# KiCad board RefleXion Grid.kicad_pcb (continued)
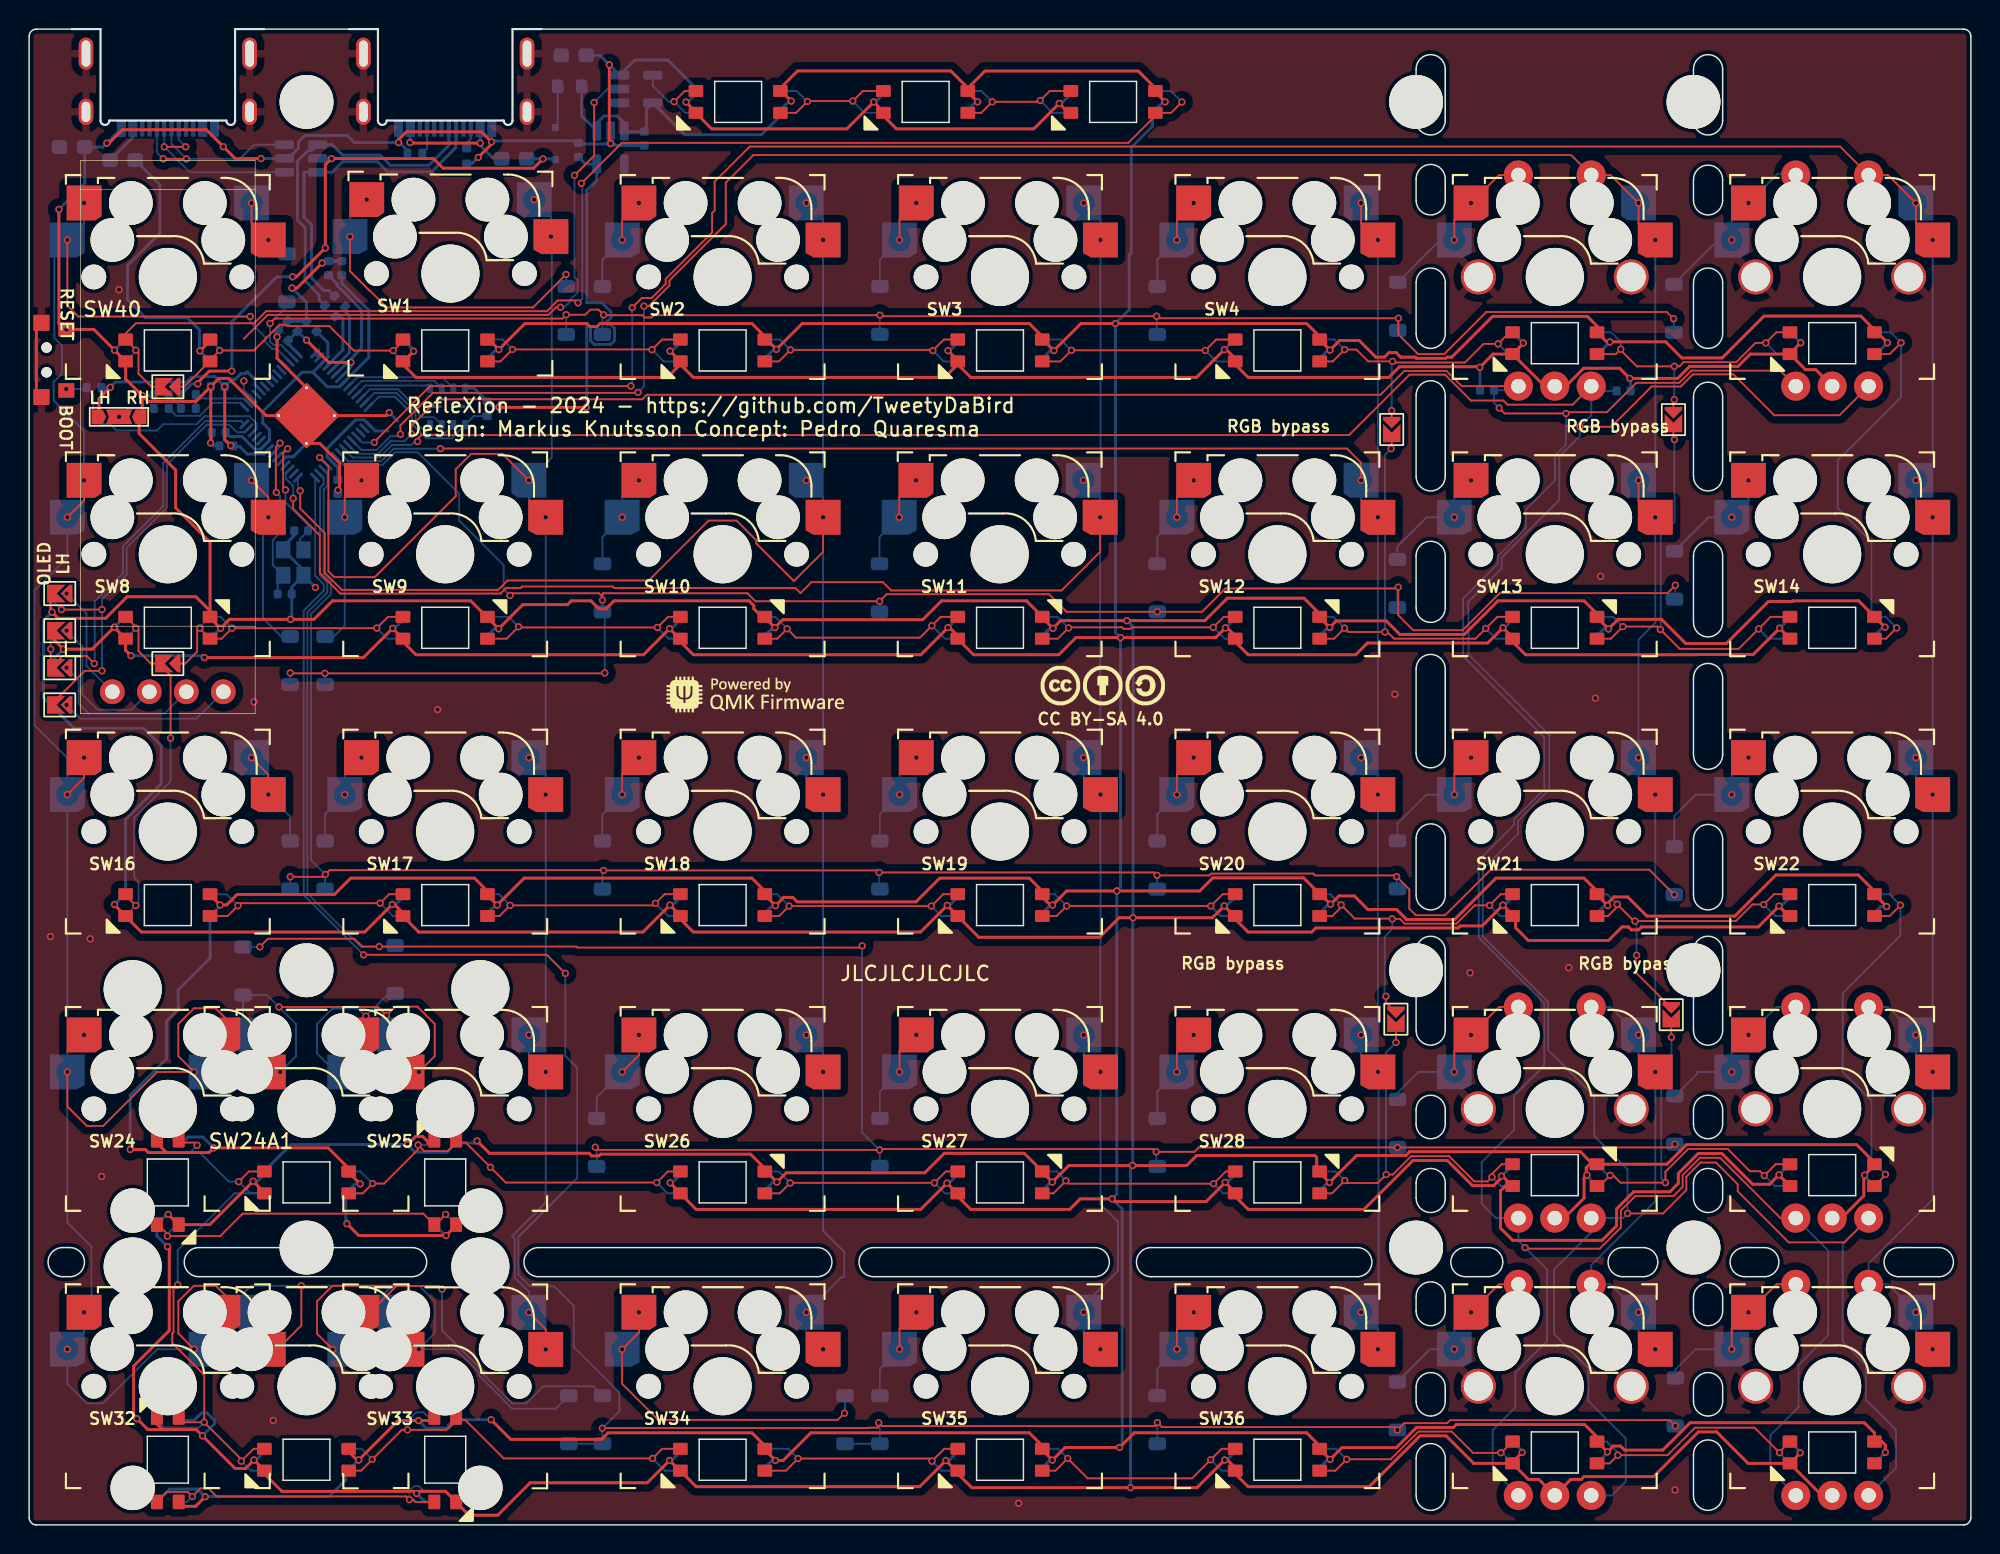
[diagram p0: board, top side]
## Nets
+1V1: C21.1 C22.1 C23.1 U2.23 U2.45 U2.50
+3V3: C5.1 C9.1 C13.1 C14.1 C15.1 C17.1 C20.1 JP12.3 R1.1 R5.1 U1.8 U2.1 U2.10 U2.22 U2.33 U2.42 U2.43 U2.44 U2.48 U2.49 U4.5
+5V: C12.1 F1.2 FB4.2 JP3.1 JP6.1 LED1.1 LED2.1 LED3.1 LED4.1 LED5.1 LED6.1 LED8.1 LED9.1 LED10.1 LED11.1 LED12.1 LED13.1 LED14.1 LED16.1 LED17.1 LED18.1 LED19.1 LED20.1 LED21.1 LED22.1 LED24.1 LED24A1.1 LED25.1 LED26.1 LED27.1 LED28.1 LED29.1 LED30.1 LED32.1 LED32A1.1 LED33.1 LED34.1 LED35.1 LED36.1 LED37.1 LED38.1 LED40.1 LED44.1 LED45.1 LED46.1 U4.1 U4.3 U6.5
/VBUS_DETECT: R9.2 R10.1 U2.30
GND: C1.2 C2.1 C5.2 C9.2 C10.2 C11.2 C12.2 C13.2 C14.2 C15.2 C17.2 C20.2 C21.2 C22.2 C23.2 FB2.2 FB3.2 J1.A1 J1.A12 J1.B1 J1.B12 J2.A1 J2.A12 J2.B1 J2.B12 JP4.1 JP5.1 JP12.1 LED1.3 LED2.3 LED3.3 LED4.3 LED5.3 LED6.3 LED8.3 LED9.3 LED10.3 LED11.3 LED12.3 LED13.3 LED14.3 LED16.3 LED17.3 LED18.3 LED19.3 LED20.3 LED21.3 LED22.3 LED24.3 LED24A1.3 LED25.3 LED26.3 LED27.3 LED28.3 LED29.3 LED30.3 LED32.3 LED32A1.3 LED33.3 LED34.3 LED35.3 LED36.3 LED37.3 LED38.3 LED40.3 LED44.3 LED45.3 LED46.3 R7.1 R8.2 R11.2 RES1.1 RES2.2 SW5.C SW6.C SW29.C SW30.C SW37.C SW38.C U1.4 U2.19 U2.57 U3.2 U4.2 U6.3 Y1.2 Y1.4
VBUS: FB1.2 R9.1 U3.5 ZD40.2
/DN: R4.1 U2.46
/DP: R3.1 U2.47
Col0: SW8.1 SW16.1 SW24.1 SW24A1.1 SW32.1 SW32A1.1 SW40.1 U2.40
Col1: SW1.2 SW9.2 SW17.2 SW25.2 SW33.2 U2.11
Col2: SW2.2 SW10.2 SW18.2 SW26.2 SW34.2 U2.15
Col3: SW3.2 SW11.2 SW19.2 SW27.2 SW35.2 U2.17
Col4: SW4.2 SW12.2 SW20.2 SW28.2 SW36.2 U2.8
Col5: SW5.2 SW13.2 SW21.2 SW29.2 SW37.2 U2.5
Col6: SW6.2 SW14.2 SW22.2 SW30.2 SW38.2 U2.4
D+: J1.A6 J1.B6 R3.2 U3.6
D-: J1.A7 J1.B7 R4.2 U3.4
Earth_Protective: FB2.1 FB3.1 J1.S1 J2.S1 RES1.3 RES2.3 SW5.MP SW6.MP SW29.MP SW30.MP SW37.MP SW38.MP
EncA: C1.1 SW5.A SW6.A SW29.A SW30.A SW37.A SW38.A U2.6
EncB: C2.2 SW5.B SW6.B SW29.B SW30.B SW37.B SW38.B U2.7
HAND: R12.2 U2.29
RGB: U2.31 U6.2
RGB_3.3: LED44.4 U6.4
Row0: D1.1 D2.1 D3.1 D4.1 D5.1 D6.1 D40.1 U2.41
Row1: D8.1 D9.1 D10.1 D11.1 D12.1 D13.1 D14.1 U2.9
Row2: D16.1 D17.1 D18.1 D19.1 D20.1 D21.1 D22.1 U2.12
Row3: D24.1 D25.1 D26.1 D27.1 D28.1 D29.1 D30.1 U2.13
Row4: D32.1 D33.1 D34.1 D35.1 D36.1 D37.1 D38.1 U2.14
RX: J2.A6 J2.B6 U2.3 U3.1
SCL: JP2.1 JP7.1 U2.28
SDA: JP1.1 JP8.1 U2.27
TX: J2.A7 J2.B7 U2.2 U3.3
Net-(C11-Pad1): C11.1 R6.2 Y1.3
Net-(D1-A): D1.2 SW1.1
Net-(D2-A): D2.2 SW2.1
Net-(D3-A): D3.2 SW3.1
Net-(D4-A): D4.2 SW4.1
Net-(D5-A): D5.2 SW5.1
Net-(D6-A): D6.2 SW6.1
Net-(D8-A): D8.2 SW8.2
Net-(D9-A): D9.2 SW9.1
Net-(D10-A): D10.2 SW10.1
Net-(D11-A): D11.2 SW11.1
Net-(D12-A): D12.2 SW12.1
Net-(D13-A): D13.2 SW13.1
Net-(D14-A): D14.2 SW14.1
Net-(D16-A): D16.2 SW16.2
Net-(D17-A): D17.2 SW17.1
Net-(D18-A): D18.2 SW18.1
Net-(D19-A): D19.2 SW19.1
Net-(D20-A): D20.2 SW20.1
Net-(D21-A): D21.2 SW21.1
Net-(D22-A): D22.2 SW22.1
Net-(D24-A): D24.2 SW24.2 SW24A1.2
Net-(D25-A): D25.2 SW25.1
Net-(D26-A): D26.2 SW26.1
Net-(D27-A): D27.2 SW27.1
Net-(D28-A): D28.2 SW28.1
Net-(D29-A): D29.2 SW29.1
Net-(D30-A): D30.2 SW30.1
Net-(D32-A): D32.2 SW32.2 SW32A1.2
Net-(D33-A): D33.2 SW33.1
Net-(D34-A): D34.2 SW34.1
Net-(D35-A): D35.2 SW35.1
Net-(D36-A): D36.2 SW36.1
Net-(D37-A): D37.2 SW37.1
Net-(D38-A): D38.2 SW38.1
Net-(D40-A): D40.2 SW40.2
Net-(FB1-Pad1): FB1.1 J1.A4 J1.A9 J1.B4 J1.B9
Net-(FB4-Pad1): FB4.1 J2.A4 J2.A9 J2.B4 J2.B9
Net-(J1-CC1): J1.A5 R7.2
Net-(J1-CC2): J1.B5 R8.1
Net-(JP1-B): JP1.2 JP5.2 OLED1.4
Net-(JP2-B): JP2.2 JP6.2 OLED1.3
Net-(JP3-B): JP3.2 JP7.2 OLED1.2
Net-(JP4-B): JP4.2 JP8.2 OLED1.1
Net-(JP12-C): JP12.2 R12.1
Net-(JP15-A): JP15.1 LED13.4 LED14.2
Net-(JP15-B): JP15.2 LED5.2 LED6.4
Net-(JP16-A): JP16.1 LED12.4 LED13.2
Net-(JP16-B): JP16.2 LED4.2 LED5.4
Net-(JP17-A): JP17.1 LED28.4 LED29.2
Net-(JP17-B): JP17.2 LED20.2 LED21.4
Net-(JP18-A): JP18.1 LED29.4 LED30.2
Net-(JP18-B): JP18.2 LED21.2 LED22.4
Net-(JP19-A): JP19.1 LED40.4 LED46.2
Net-(JP19-B): JP19.2 LED1.4 LED40.2
Net-(JP20-A): JP20.1 LED8.2 LED16.4
Net-(JP20-B): JP20.2 LED8.4 LED9.2
Net-(LED1-DOUT): LED1.2 LED2.4
Net-(LED2-DOUT): LED2.2 LED3.4
Net-(LED3-DOUT): LED3.2 LED4.4
Net-(LED10-DIN): LED10.4 LED11.2
Net-(LED10-DOUT): LED9.4 LED10.2
Net-(LED11-DIN): LED11.4 LED12.2
Net-(LED14-DIN): LED6.2 LED14.4
Net-(LED16-DOUT): LED16.2 LED17.4
Net-(LED17-DOUT): LED17.2 LED18.4
Net-(LED18-DOUT): LED18.2 LED19.4
Net-(LED19-DOUT): LED19.2 LED20.4
Net-(LED22-DOUT): LED22.2 LED30.4
Net-(LED24-DIN): LED24.4 LED25.2
Net-(LED24-DOUT): LED24.2 LED24A1.4 LED32.4 LED32A1.4
Net-(LED24A1-DOUT): LED24A1.2 LED25.4 LED26.2
Net-(LED26-DIN): LED26.4 LED27.2
Net-(LED27-DIN): LED27.4 LED28.2
Net-(LED32-DOUT): LED32.2 LED33.4
Net-(LED32A1-DOUT): LED32A1.2 LED33.2 LED34.4
Net-(LED34-DOUT): LED34.2 LED35.4
Net-(LED35-DOUT): LED35.2 LED36.4
Net-(LED36-DOUT): LED36.2 LED37.4
Net-(LED37-DOUT): LED37.2 LED38.4
Net-(LED44-DOUT): LED44.2 LED45.4
Net-(LED45-DOUT): LED45.2 LED46.4
Net-(R10-Pad2): R10.2 R11.1
Net-(U1-CLK): U1.6 U2.52
Net-(U1-DI(IO0)): U1.5 U2.53
Net-(U1-DO(IO1)): U1.2 U2.55
Net-(U1-IO2): U1.3 U2.54
Net-(U1-IO3): U1.7 U2.51
Net-(U1-~{CS}): R5.2 U1.1 U2.56
Net-(U2-RUN): R1.2 RES1.2 RES2.1 U2.26
Net-(U2-XIN): C10.1 U2.20 Y1.1
Net-(U2-XOUT): R6.1 U2.21
Net-(ZD40-K): F1.1 ZD40.1

Pads without a net: J1 A8 B8; J2 A5 A8 B5 B8; LED38 2; U1 9; U2 16 18 24 25 32 34 35 36 37 38 39; U4 4; U6 1

## Via types
v1: diameter 0.5, hole 0.3, Top to Bottom, 475 vias

## Routing (per net, layer and track width the routed paths; a pad name or vN(x,y) marks a point on that pad's centre or on a via; arc(x,y) is an arc through that point)
+1V1: length 25.5
  Bottom w0.2: 19.48,79.18 18.74,79.18 16.04,76.48 16.04,75.69 16.5,75.23 16.5,74.5 U2.23 15.89,73.89 15.49,73.89 14.61,74.77 13.77,74.77 C23.1 ; 19.48,79.18 20.47,78.18 21.32,78.18 U2.50 23.33,80.2 23.33,83.42 21.47,85.28 C21.1 ; 19.48,79.18 U2.45 20.51,80.21 20.51,81.22 C22.1
+3V3: length 82.9
  Top w0.2: JP12.3 4.79,77.37 v1(5.57,78.15) ; v1(38.25,76.77) 32.28,76.77 v1(32.27,76.78) ; v1(13.84,74.14) 13.43,74.55 v1(13.43,78.2) ; v1(22.09,79.86) 20.57,79.86 v1(19.05,81.38)
  Bottom w0.2: v1(38.25,76.77) 38.29,76.81 38.29,82.53 38.5,82.32 38.67,82.32 38.55,82.19 38.55,81.36 38.81,81.1 39.94,81.1 40.2,81.36 40.2,82.19 39.94,82.45 39.67,82.45 39.67,82.63 39.95,82.92 39.95,83.33 39.33,83.96 38.29,83.96 38.29,91.68 38.98,92.37 U4.5 38.21,93.48 C13.1 ; C5.1 21.15,85.25 21.15,85.14 22.83,83.46 22.83,80.83 22.5,80.5 ; 13.9,74.08 v1(13.84,74.14) 13.9,74.08 ; 13.9,74.08 13.97,74.08 C9.1 ; 13.9,74.08 14.46,74.08 14.98,73.56 16.13,73.56 U2.22 ; 24.63,75.15 23.78,75.15 U2.1 23.01,75.91 22.42,75.91 20.47,73.96 20.47,73.37 U2.10 21.2,72.63 C15.1 ; U1.8 30.57,78.07 R5.1 31.86,76.78 v1(32.27,76.78) ; 22.5,80.5 U2.48 ; 22.5,80.5 22.09,80.09 v1(22.09,79.86) 22.09,79.53 U2.49 ; U2.42 17.77,81.15 C14.1 C20.1 v1(19.05,81.38) 19.64,80.79 U2.43 U2.44 ; U2.33 15.51,78.32 15.51,78.69 15.01,79.19 14.91,79.19 14.91,79.12 14.87,79.08 14.54,79.08 14.14,78.69 13.92,78.69 v1(13.43,78.2) 12.75,78.88 11.38,78.88 11.32,78.82 11.15,78.82 10.83,78.51 5.93,78.51 v1(5.57,78.15) 4.98,78.15 R1.1
+5V: length 861.6
  Top w0.2: LED32.1 10.57,1.28 11.43,1.28 v1(12.09,1.94) ; 9.61,25.58 12.35,25.58 v1(12.67,25.9) 20.54,25.9 21.75,24.69 21.75,24.28 21.89,24.28 v1(22.73,23.43) ; 9.61,25.58 9.43,25.58 8.78,26.23 ; 9.61,25.58 8.19,25.58 7.98,25.79 v1(6.94,25.79) ; 64.27,98.5 64.39,98.5 v1(65.13,97.76) ; 64.27,98.5 64.27,98.91 63.3,99.88 52.77,99.88 51.39,98.5 51.64,98.5 v1(52.33,97.81) ; 64.27,98.5 65.63,99.87 76.17,99.87 77.14,98.9 77.14,98.5 77.27,98.5 v1(78.01,97.76) ; LED40.1 12.43,81.35 v1(11.72,80.65) ; v1(21.82,20.69) 22.63,19.88 v1(28.63,19.88) 29.33,20.57 LED25.1 ; LED30.1 120.17,24.03 v1(120.17,24.05) 119.52,23.4 118.37,23.4 116.25,25.51 114.62,25.51 113.26,24.15 113.26,23.47 112.68,22.88 110.19,22.88 109.02,21.71 109.02,20.54 108.02,19.55 101.88,19.55 101.05,20.38 101.05,22.95 101.38,23.28 LED29.1 101.19,23.96 v1(101.11,23.96) 101.11,23.84 100.58,23.31 99.12,23.31 97.39,25.03 95.03,25.03 91.67,21.67 83.72,21.67 83.03,22.37 83.03,22.78 82.9,22.78 v1(82.14,23.53) 80.82,22.21 74.56,22.21 v1(74.37,22.4) 72.18,22.4 71.46,21.67 64.67,21.67 63.97,22.37 63.97,22.78 63.74,22.78 v1(63.03,23.48) 61.23,21.67 45.81,21.67 44.93,22.56 44.93,22.78 44.75,22.78 v1(44.02,23.5) ; v1(12.03,59.58) 22.95,59.58 v1(24.96,61.59) LED9.1 25.88,60.88 25.88,60.47 26.57,59.77 42.19,59.77 v1(43.98,61.57) 44.68,60.88 44.93,60.88 44.93,60.47 45.62,59.77 61.24,59.77 v1(63.1,61.64) 63.21,61.64 63.97,60.88 63.97,60.66 64.86,59.77 70.71,59.77 71.89,60.95 v1(74.95,60.95) 81.49,60.95 v1(82.15,61.62) 82.28,61.62 83.03,60.88 83.03,60.47 83.72,59.77 91.1,59.77 91.9,60.58 100.16,60.58 v1(101.21,61.63) 101.97,60.88 102.08,60.88 102.08,60.47 102.77,59.77 114.55,59.77 114.56,59.79 118.4,59.79 v1(120.21,61.6) 120.94,60.88 121.12,60.88 ; LED37.1 107.69,5.73 v1(108.39,5.02) 108.79,5.42 109.29,5.42 109.57,5.14 112.19,5.14 114.07,7.02 126.03,7.02 126.72,6.33 LED38.1 127.22,5.73 127.48,5.47 v1(127.48,4.98) ; 27.83,7.17 v1(26.74,7.17) 25.34,7.17 v1(22.63,4.46) 22.52,4.46 21.75,5.23 ; v1(6.99,59.71) 6.62,60.08 LED8.1 5.85,61.65 v1(5.85,61.67) 5.85,61.66 5.83,61.64 5.81,61.64 4.33,60.16 v1(2.35,60.16) 1.48,61.03 JP6.1 ; v1(127.62,81.2) 125.79,83.04 119.14,83.04 116.27,80.16 113.5,80.16 112.39,81.27 108.57,81.27 v1(108.56,81.26) 108.34,81.26 LED5.1 107.68,82.35 107.01,83.02 100.5,83.02 97.7,80.22 97.38,80.22 97.3,80.14 95.26,80.14 95.21,80.19 95.21,80.19 95.18,80.22 94.19,80.22 93.88,80.53 93.38,80.53 93.08,80.22 92.48,80.22 91.34,81.36 89.99,81.36 v1(89.33,80.7) 88.61,81.43 88.43,81.43 88.43,81.84 87.73,82.53 v1(74.6,82.53) 72.23,82.53 v1(70.37,80.67) 69.62,81.43 69.38,81.43 69.38,81.84 68.68,82.53 53.09,82.53 v1(51.32,80.76) 50.66,81.43 50.33,81.43 50.33,81.84 49.63,82.53 39.21,82.53 39,82.32 38.5,82.32 38.3,82.53 34.04,82.53 v1(32.25,80.74) 31.57,81.43 31.28,81.43 ; LED16.1 12.43,43.28 v1(13.11,42.59) 13.56,42.59 14.28,43.31 20.96,43.31 22.08,44.43 30.58,44.43 31.28,43.74 31.28,43.33 31.4,43.33 v1(32.14,42.58) 33.99,44.43 49.63,44.43 50.33,43.74 50.33,43.33 50.47,43.33 v1(51.25,42.54) 51.82,43.11 52.44,43.11 52.75,42.8 60.9,42.8 62.53,44.43 68.68,44.43 69.38,43.74 69.38,43.33 70.12,42.58 v1(70.28,42.58) 71.25,43.55 v1(74.69,43.55) 80.39,43.55 81.29,44.45 87.52,44.45 88.43,43.54 88.43,43.33 88.69,43.33 v1(89.37,42.64) 89.38,42.64 89.95,43.21 91,43.21 91.93,42.28 93.9,42.28 94.59,41.59 97.89,41.59 100.73,44.43 106.78,44.43 107.47,43.74 107.47,43.33 107.63,43.33 v1(108.41,42.55) 108.41,42.7 108.85,43.14 109.78,43.14 111.1,41.82 117.13,41.82 119.96,44.65 125.61,44.65 126.53,43.74 126.53,43.33 126.72,43.33 v1(127.56,42.48) ; 107.68,5.64 107.68,6.05 106.83,6.89 98.02,6.89 97.82,6.7 95.28,6.7 93.89,5.31 90.15,5.31 v1(89.34,4.5) 88.62,5.23 88.43,5.23 88.43,5.64 87.73,6.33 75.89,6.33 v1(74.88,5.32) 71.14,5.32 v1(70.27,4.45) 69.5,5.23 69.38,5.23 69.38,5.64 68.68,6.33 53.68,6.33 51.78,4.43 v1(51.25,4.43) 50.46,5.23 50.33,5.23 50.33,5.64 49.63,6.33 39.76,6.33 39.31,5.88 33.07,5.88 v1(31.72,7.23)
  Bottom w0.2: 69.38,3.73 70.1,4.45 v1(70.27,4.45) ; 63.97,62.38 63.84,62.38 v1(63.1,61.64) ; LED32.1 9.66,2.46 11.57,2.46 v1(12.09,1.94) 12.11,1.96 20.61,1.96 21.75,3.09 21.75,3.73 21.9,3.73 v1(22.63,4.46) ; FB4.2 8.98,92.06 8.98,88.74 6.76,86.52 6.76,84.16 7.99,82.93 10.86,82.93 11.7,82.09 11.7,80.67 v1(11.72,80.65) 11.72,80.63 LED40.1 ; v1(120.21,61.6) 120.99,62.38 121.12,62.38 ; v1(65.13,97.76) 65.02,97.76 64.27,97 ; 83.03,62.38 82.91,62.38 v1(82.15,61.62) ; v1(70.28,42.58) 70.13,42.58 69.38,41.83 ; v1(52.33,97.81) 52.2,97.81 51.39,97 51.39,96.59 50.3,95.5 45.02,95.5 U6.5 42.39,97.25 42.39,95.86 C12.1 40.93,95.71 U4.3 40.88,96.29 40.38,96.79 39.48,96.79 38.98,96.29 U4.1 37.94,96.79 37.94,97.48 37.95,97.49 F1.2 ; v1(44.02,23.5) 44.15,23.5 44.93,24.28 ; LED30.1 120.9,24.78 v1(120.17,24.05) ; LED25.1 28.57,19.88 v1(28.63,19.88) ; v1(63.03,23.48) 63.18,23.48 63.97,24.28 ; v1(89.34,4.5) 89.2,4.5 88.43,3.73 ; 44.93,62.38 44.12,61.57 v1(43.98,61.57) ; v1(6.99,59.71) 11.9,59.71 v1(12.03,59.58) ; v1(6.94,25.79) 6.94,29.53 9.43,32.02 9.43,34.61 10.23,35.41 10.23,36.74 12.43,38.94 LED16.1 13.11,42.51 v1(13.11,42.59) ; v1(101.11,23.96) 101.88,24.72 LED29.1 ; LED37.1 108.39,4.94 v1(108.39,5.02) ; v1(24.96,61.59) 25.09,61.59 25.88,62.38 ; v1(32.25,80.74) 32.09,80.74 31.28,79.93 ; 28.85,6.7 29.39,7.23 v1(31.72,7.23) ; 28.85,6.7 29.33,7.17 29.12,7.17 28.81,6.86 28.81,6.65 ; 28.85,6.7 28.81,6.65 ; 88.43,79.93 89.2,80.7 v1(89.33,80.7) ; v1(51.25,42.54) 51.04,42.54 50.33,41.83 ; 107.47,41.83 108.2,42.55 v1(108.41,42.55) ; 10.28,26.23 10.5,26.23 10.92,26.65 11.92,26.65 v1(12.67,25.9) ; v1(127.62,81.2) 126.84,80.43 LED6.1 ; 83.03,24.28 82.28,23.53 v1(82.14,23.53) ; 126.53,41.83 127.18,42.48 v1(127.56,42.48) ; v1(22.73,23.43) 22.4,23.43 21.75,22.78 21.75,20.76 v1(21.82,20.69) ; v1(51.25,4.43) 51.03,4.43 50.33,3.73 ; 31.28,41.83 32.03,42.58 v1(32.14,42.58) ; v1(108.56,81.26) 107.73,80.43 LED5.1 ; LED8.1 6.56,62.38 v1(5.85,61.67) ; v1(2.35,60.16) 1.48,59.29 JP3.1 ; 28.81,6.65 27.26,6.65 v1(26.74,7.17) ; LED38.1 v1(127.48,4.98) ; v1(89.37,42.64) 89.24,42.64 88.43,41.83 ; 102.08,62.38 101.33,61.63 v1(101.21,61.63) ; v1(74.88,5.32) 75.06,5.5 75.06,21.71 v1(74.37,22.4) 74.69,22.72 v1(74.69,43.55) 74.95,43.81 v1(74.95,60.95) 74.6,61.3 v1(74.6,82.53) 75.55,83.48 75.55,87.25 75.69,87.39 75.69,94.63 77.14,96.08 77.14,97 77.9,97.76 v1(78.01,97.76) ; v1(51.32,80.76) 51.16,80.76 50.33,79.93 ; v1(70.37,80.67) 70.12,80.67 69.38,79.93
/VBUS_DETECT: length 5.4
  Bottom w0.127: R9.2 R10.1 11.44,77.38 14.76,77.38 U2.30
GND: length 1000.5
  Top w0.2: v1(102.62,81.19) 102.62,81.17 LED5.3 ; JP5.1 1.48,62.79 v1(1.57,62.7) 1.99,62.28 5.25,62.28 6.73,63.76 11.45,63.76 12.43,62.79 LED8.3 ; LED1.3 25.7,79.93 v1(26.4,80.63) ; v1(15.92,93.86) 14.15,93.86 v1(13.33,94.68) 12.17,95.84 6.44,95.84 6.42,95.86 5.49,94.92 v1(5.34,94.92) ; v1(9.5,19.12) 9.62,19 9.62,13.35 7.18,10.9 7.18,7.52 v1(7.4,7.3) 8.15,6.55 9.16,6.55 ; v1(20.12,86.69) 18.4,84.97 v1(18.05,84.97) ; 63.97,79.93 62.87,78.82 45.62,78.82 44.93,79.52 44.93,79.93 ; 63.97,79.93 63.97,79.52 64.67,78.82 80.17,78.82 v1(82.08,80.74) 82.21,80.74 83.03,79.93 83.03,79.52 83.72,78.82 93.38,78.82 94.11,79.56 99.58,79.56 v1(99.62,79.52) 100.53,80.43 LED5.3 ; 63.97,79.93 63.85,79.93 v1(63.1,80.67) ; SW29.C 105.41,21.08 106.79,22.45 106.79,23.83 v1(106.98,24.03) 106.94,24.08 106.94,24.54 107.18,24.78 LED29.3 112.48,24.78 113.82,26.12 125.5,26.12 126.72,24.9 LED30.3 126.72,24.71 v1(126.04,24.03) 126,23.98 126,22.61 124.46,21.08 SW30.C ; v1(12.47,78.2) 13.03,78.76 13.71,78.76 16.27,76.2 U2.57 ; v1(12.47,78.2) 12.47,74.34 v1(12.46,74.33) ; v1(12.47,78.2) 11.45,77.18 8.16,77.18 v1(7.76,77.58) ; v1(127.45,61.67) 126.75,62.38 126.53,62.38 126.53,62.59 125.64,63.48 121.14,63.48 121.1,63.44 119.45,63.44 116.56,60.55 113.76,60.55 112.1,62.21 109.12,62.21 v1(108.46,61.55) 107.64,62.38 107.47,62.38 107.47,62.79 106.78,63.48 100.87,63.48 98.56,61.17 94.13,61.17 93.2,62.1 89.76,62.1 v1(89.31,61.65) 88.59,62.38 88.43,62.38 88.43,62.79 87.55,63.66 82.28,63.66 80.74,62.12 v1(75.39,62.12) 70.84,62.12 v1(70.31,61.59) 69.53,62.38 69.38,62.38 69.38,62.59 68.49,63.48 62.66,63.48 61.36,62.18 51.75,62.18 v1(51.21,61.64) 50.48,62.38 50.33,62.38 49.77,62.93 49.77,63.15 49.44,63.48 40.17,63.48 39.62,62.93 39.13,62.93 38.58,63.48 37.23,63.48 36.97,63.22 33.9,63.22 v1(32.24,61.56) 30.32,63.48 20.83,63.48 19.56,62.21 v1(17.95,62.21) 13.76,62.21 v1(13.14,61.59) 12.43,62.31 LED8.3 ; v1(2.04,90.37) 2.04,82.53 2.45,82.12 v1(2.55,82.12) 4.44,82.12 v1(5.86,80.7) 5.86,80.69 LED40.3 6.62,79.28 6.63,79.27 6.63,78.71 v1(7.76,77.58) ; SW6.C 122.69,79.36 121.99,79.36 LED6.3 ; 8.78,7.18 8.78,6.94 9.16,6.55 ; SW38.C 123.11,2.03 120.93,4.21 LED38.3 121.5,4.8 121.5,4.85 121.61,4.95 v1(121.62,4.95) 121.58,4.95 121.57,4.95 121.54,4.95 ; 9.16,6.55 11.47,6.55 v1(11.9,6.12) 14.14,3.88 14.86,3.88 v1(15.44,4.46) 16.18,3.73 16.35,3.73 16.35,3.32 17.36,2.3 26.47,2.3 v1(26.61,2.16) 26.76,2.3 28.6,2.3 LED33.3 29.33,1.55 30.21,0.67 32.18,0.67 34.41,2.89 42.45,2.89 v1(43.98,4.43) 44.69,3.73 44.93,3.73 44.93,3.51 45.81,2.62 61.16,2.62 v1(62.95,4.42) 63.65,3.73 63.97,3.73 63.97,3.32 64.73,2.56 v1(75.64,2.56) 80.2,2.56 v1(82.1,4.46) 82.29,4.46 83.03,3.73 83.03,3.32 83.72,2.62 92.03,2.62 95.53,6.12 97.31,6.12 99.21,4.23 LED37.3 ; LED6.3 118.2,80.43 117.36,79.58 114.04,79.58 113.21,78.76 v1(109.92,78.76) 109.23,79.45 106.77,79.45 105.54,78.23 SW5.C 104.07,78.23 LED5.3 ; LED6.3 120.93,80.47 v1(121.66,81.21) ; 25.88,79.93 25.88,79.52 26.57,78.82 43.82,78.82 44.93,79.93 ; v1(45.11,97.74) 45.85,97 45.99,97 45.99,96.78 46.88,95.9 56.15,95.9 v1(58,97.75) 58.75,97 58.87,97 58.87,96.59 59.56,95.9 68.99,95.9 v1(70.74,97.65) 71.39,97 71.74,97 ; v1(7.76,77.58) 7.76,76.33 JP12.1 7.55,74.97 10.06,72.46 10.06,69.86 12.43,67.5 LED8.3 ; 27.83,26.23 27.63,26.23 27.61,26.21 27.39,26.21 27.39,26.32 27.03,26.68 26.54,26.68 v1(25.99,26.13) ; 107.47,24.69 106.52,25.64 94.81,25.64 94.55,25.38 91.16,25.38 v1(89.3,23.52) 88.55,24.28 88.43,24.28 88.43,25.25 88.29,25.38 80.18,25.38 79.49,24.69 v1(75.78,24.69) 71.4,24.69 v1(70.26,23.55) 69.54,24.28 69.38,24.28 69.38,24.49 68.34,25.53 62.85,25.53 61.51,24.19 51.99,24.19 v1(51.35,23.55) 50.63,24.28 50.33,24.28 50.33,24.69 49.54,25.47 39.25,25.47 39.13,25.35 38.63,25.35 38.45,25.53 31.61,25.53 v1(30.76,26.38) ; v1(17.02,81.61) 17.02,80.14 U2.57 ; LED37.3 101.88,4.21 102.96,3.12 103.68,3.12 SW37.C 105.87,3.12 106.59,3.12 106.78,3.32 111.56,3.32 114.63,6.39 115.89,6.39 118.06,4.23 120.54,4.23 120.68,4.09 ; LED37.3 101.88,4.32 v1(102.53,4.98) ; 16.35,22.78 16.22,22.78 v1(15.38,23.61) 12.4,20.63 LED24.3 10.25,20.63 v1(9.55,21.33) ; U2.57 19.96,74.29 21.32,72.93 21.32,71.2 v1(21.21,71.09) ; 44.93,79.93 LED2.3 v1(44.01,80.64) ; U2.57 24.53,76.2 v1(24.73,76.41) ; v1(30.84,93.94) 31.75,94.85 v1(31.75,95.01) 31.06,95.7 25.91,95.7 25.38,95.16 v1(25.38,94.96) ; 121.12,41.83 120.86,41.83 v1(120.17,42.51) 118.74,41.08 110.73,41.08 110.53,40.88 110.03,40.88 109.83,41.08 109.39,41.08 108.46,40.15 102.95,40.15 102.08,41.03 102.08,41.83 101.97,41.83 v1(101.21,42.58) 99.78,41.15 98.28,41.15 98.14,41.01 88.37,41.01 88.08,40.72 83.72,40.72 83.03,41.42 83.03,41.83 82.77,41.83 v1(82.07,42.52) 81.26,41.71 v1(75.81,41.71) 74.85,41.71 73.51,40.37 65.22,40.37 63.97,41.61 63.97,41.83 63.79,41.83 v1(63.05,42.56) 61.22,40.72 45.62,40.72 44.93,41.42 44.93,41.83 44.76,41.83 v1(44,42.58) 42.15,40.72 26.76,40.72 25.88,41.61 25.88,41.83 25.07,42.63 v1(24.94,42.63) 23.04,40.72 7.71,40.72 6.62,41.81 LED16.3 5.86,42.59 v1(5.86,42.62) ; v1(39.93,94.89) 39.84,94.98 v1(39.84,100.3)
  Bottom w0.2: J1.A12 31.75,95.89 v1(31.75,95.01) 31.9,95.01 31.96,95.07 37.58,95.07 C13.2 37.78,94.93 37.85,94.86 39.65,94.86 39.93,95.15 U4.2 ; 63.97,81.43 63.22,80.67 v1(63.1,80.67) ; LED37.3 102.53,5.07 v1(102.53,4.98) ; C1.2 99.64,79.5 v1(99.62,79.52) ; v1(7.76,77.58) 8.5,77.58 R11.2 ; 31.28,60.88 31.96,61.56 v1(32.24,61.56) ; C9.2 12.66,74.13 v1(12.46,74.33) 12.53,74.4 C23.2 ; 83.03,43.33 82.22,42.52 v1(82.07,42.52) ; LED8.3 13.14,61.59 v1(13.14,61.59) ; v1(127.45,61.67) 127.32,61.67 126.53,60.88 ; v1(17.02,81.61) 17.02,81.96 C20.2 19.04,82.69 C22.2 19.05,83.97 v1(18.05,84.97) ; LED30.3 126.04,23.96 v1(126.04,24.03) ; R7.1 25.85,94.35 25.85,94.54 25.43,94.96 v1(25.38,94.96) ; U4.2 39.93,95.09 40.28,94.75 C12.2 ; U4.2 v1(39.93,94.89) ; LED40.3 6.59,81.43 v1(5.86,80.7) ; 58.87,98.5 58.11,97.75 v1(58,97.75) ; v1(1.57,62.7) 0.98,62.11 0.98,56.83 JP4.1 3.09,54.72 7.87,54.72 9.07,53.52 9.07,50.92 7.57,49.41 7.57,49.4 6.62,48.45 LED16.3 6.57,43.33 v1(5.86,42.62) ; v1(101.21,42.58) 101.33,42.58 102.08,43.33 ; 121.12,43.33 120.31,42.51 v1(120.17,42.51) ; 44.93,43.33 44.18,42.58 v1(44,42.58) ; v1(70.31,61.59) 70.09,61.59 69.38,60.88 ; v1(63.05,42.56) 63.21,42.56 63.97,43.33 ; v1(75.64,2.56) 75.64,24.55 v1(75.78,24.69) 75.78,41.68 v1(75.81,41.71) 75.81,61.7 v1(75.39,62.12) ; U2.57 18.13,73.37 17.63,73.37 U2.19 ; v1(15.44,4.46) 15.58,4.46 16.35,5.23 ; R8.2 30.43,93.53 v1(30.84,93.94) ; v1(17.95,62.21) 18.03,62.29 C11.2 18.03,64.42 Y1.2 ; v1(25.38,94.96) J1.A1 ; v1(25.38,94.96) 22.33,94.96 21.84,95.45 18.94,95.45 18.49,95 18.49,94.57 17.79,93.87 U3.2 15.93,93.87 v1(15.92,93.86) ; C5.2 C21.2 20.24,86.81 v1(20.12,86.69) ; J2.A1 v1(5.34,94.92) 5.07,94.65 FB2.2 3.82,92.14 v1(2.04,90.37) ; 88.43,22.78 89.17,23.52 v1(89.3,23.52) ; v1(51.35,23.55) 51.1,23.55 50.33,22.78 ; v1(15.38,23.61) 15.68,23.61 16.35,24.28 16.35,24.49 17.98,26.13 v1(25.99,26.13) 25.99,26.11 26.51,25.6 28.69,25.6 29.32,26.23 30.61,26.23 v1(30.76,26.38) ; v1(121.62,4.95) 121.62,5.03 LED38.3 ; v1(62.95,4.42) 63.17,4.42 63.97,5.23 ; 25.31,75.83 v1(24.73,76.41) ; 44.93,81.43 44.14,80.64 v1(44.01,80.64) ; LED1.3 26.4,80.7 v1(26.4,80.63) ; v1(121.66,81.21) 121.64,81.21 LED6.3 ; J2.A12 12.73,95.29 v1(13.33,94.68) ; C2.1 109.98,78.7 v1(109.92,78.76) ; 83.03,5.23 82.26,4.46 v1(82.1,4.46) ; LED29.3 106.98,23.97 v1(106.98,24.03) ; LED5.3 102.61,81.19 v1(102.62,81.19) ; v1(70.74,97.65) 70.89,97.65 71.74,98.5 ; 25.88,43.33 25.18,42.63 v1(24.94,42.63) ; v1(43.98,4.43) 44.13,4.43 44.93,5.23 ; v1(26.61,2.16) 27.2,1.58 LED33.3 ; 10.28,7.18 11.32,7.18 11.84,7.7 12.21,7.7 12.73,7.18 12.73,6.95 v1(11.9,6.12) ; 50.33,60.88 51.09,61.64 v1(51.21,61.64) ; v1(70.26,23.55) 70.15,23.55 69.38,22.78 ; v1(45.11,97.74) 45.23,97.74 45.99,98.5 43.87,100.63 41.6,100.63 U6.3 v1(39.84,100.3) 39.2,100.95 FB3.2 ; C10.2 18.2,67.96 17.44,67.2 Y1.4 18.84,65.58 Y1.2 ; 107.47,60.88 108.15,61.55 v1(108.46,61.55) ; 88.43,60.88 89.2,61.65 v1(89.31,61.65) ; Y1.2 18.84,65.22 v1(19.66,64.4) ; v1(82.08,80.74) 82.77,81.43 83.03,81.43 ; C15.2 21.2,71.08 v1(21.21,71.09) ; v1(9.55,21.33) 9.47,21.33 LED24.3 8.78,19.85 v1(9.5,19.12)
VBUS: length 40.4
  Top w0.2: v1(35.28,93.84) 34.64,93.2 28.42,93.2 27.76,93.86 v1(20.76,93.86) 20.34,93.44 v1(20.34,87.72) 18.36,85.74 v1(18.09,85.74) ; v1(13.91,79.26) 12.37,79.26 11.58,78.47 v1(11.58,78.38)
  Bottom w0.2: R9.1 11.16,78.38 v1(11.58,78.38) ; v1(18.09,85.74) 17.01,85.74 13.91,82.64 v1(13.91,79.26) ; U3.5 19.82,93.86 v1(20.76,93.86) ; FB1.2 v1(35.28,93.84) 36.08,93.84 ZD40.2
/DN: length 4.3
  Bottom w0.2: U2.46 20.49,79.66 21.55,80.71 21.55,82.85 21.38,83.02 R4.1
/DP: length 5
  Bottom w0.2: U2.47 20.81,79.34 22,80.53 22,83.04 21.7,83.34 R3.1
Col0: length 153.3
  Top w0.127: v1(11.33,12.07) 10.25,13.15 10.25,15.36 11.31,16.42 12.82,16.42 13.88,15.36 ; v1(2.62,88.27) 2.62,83.76 3.37,83.01 v1(15.18,83.01) ; v1(2.62,50.17) 3.78,51.32 v1(3.78,52.71) ; v1(3.78,71.76) 3.78,70.37 v1(2.62,69.22) ; v1(2.62,31.12) 2.62,28.74 3.96,27.41 5.09,27.41 8.79,31.12 v1(11.33,31.12) 10.25,32.2 10.25,34.41 11.32,35.49 12.81,35.49 13.88,34.41
  Bottom w0.127: v1(3.78,90.81) 3.78,89.42 v1(2.62,88.27) 1.73,87.37 1.73,81.53 2.25,81.01 2.25,79.08 1.68,78.51 1.68,77.24 3.78,75.15 v1(3.78,71.76) ; v1(15.18,83.01) 15.18,82.61 16.21,81.59 16.21,81.27 16.68,80.79 17.01,80.79 U2.40 ; v1(2.62,69.22) 2.62,66.45 0.36,64.19 0.36,54.94 2.62,52.68 v1(2.62,50.17) 2.62,34.81 v1(3.78,33.66) 3.78,33.64 2.62,32.49 v1(2.62,31.12) 2.62,20.77 4.28,19.11 4.28,15.11 v1(3.78,14.61) 3.78,13.22 v1(2.62,12.07) 2.62,9.69 3.96,8.36 5.09,8.36 8.79,12.07 v1(11.33,12.07)
Col1: length 112.4
  Top w0.127: v1(34.33,14.6) 35.48,13.45 v1(35.48,12.06) ; v1(19.95,73.32) 20.55,72.72 20.55,65.51 20.96,65.1 23.73,65.1 29.29,70.67 29.29,72.51 30.36,73.57 32.5,73.57 v1(34.32,71.76)
  Bottom w0.127: U2.11 v1(19.95,73.32) ; v1(34.68,91.04) 35.83,89.89 v1(35.83,88.5) 35.89,88.44 35.89,73.33 v1(34.32,71.76) 34.32,70.05 35.48,68.9 ; v1(34.33,33.66) 34.33,32.27 v1(35.48,31.12) 35.48,22.14 33.17,19.84 33.34,19.67 33.34,17 34.33,16.02 v1(34.33,14.6) ; 35.48,68.9 35.48,69.22 ; 35.48,68.9 35.48,53.86 v1(34.33,52.71) 35.48,51.56 v1(35.48,50.17) 35.48,34.81 34.65,33.98
  vias: v1(35.47,69.22)
Col2: length 133.4
  Top w0.127: v1(54.53,69.22) 54.53,66.84 52.52,64.84 49.94,67.42 49.94,67.63 48.58,68.99 46.67,68.99 42.56,64.88 32.86,64.88 32.21,64.23 21.47,64.23 20.3,65.4 20.3,68.14 18.61,69.82 v1(18.61,71.04)
  Bottom w0.127: v1(18.61,71.04) 18.46,71.19 U2.15 ; v1(54.53,12.07) 53.38,13.22 v1(53.38,14.61) 55.79,17.02 55.97,17.02 55.97,18.76 54.53,20.21 v1(54.53,31.12) 54.53,32.51 v1(53.38,33.66) 54.53,34.81 v1(54.53,50.17) 53.38,51.32 v1(53.38,52.71) 54.53,53.86 v1(54.53,69.22) 54.53,70.61 v1(53.38,71.76) 54.53,72.91 v1(54.53,88.27) 54.53,89.66 v1(53.38,90.81)
Col3: length 150.8
  Top w0.127: v1(18.13,70.52) 18.13,69.8 19.96,67.97 19.96,65.38 21.37,63.98 32.38,63.98 32.76,64.36 33.76,64.36 33.85,64.46 40.08,64.46 40.18,64.36 52.62,64.36 52.97,64.01 53.73,64.76 58.62,64.76 59.2,64.19 70.9,64.19 73.55,66.84 v1(73.55,69.22)
  Bottom w0.127: U2.17 17.62,72.23 17.62,71.88 18.13,71.37 v1(18.13,70.52) ; v1(72.43,90.81) 73.58,89.66 v1(73.58,88.27) 73.58,72.93 v1(72.4,71.76) 73.55,70.61 v1(73.55,69.22) 73.55,53.83 v1(72.43,52.71) 72.43,51.32 v1(73.58,50.17) 73.58,34.81 v1(72.43,33.66) 72.43,32.27 v1(73.58,31.12) 73.58,22.03 74.77,20.83 74.77,17.45 72.43,15.1 v1(72.43,14.61) 72.43,13.22 v1(73.58,12.07)
Col4: length 155.4
  Top w0.127: v1(92.62,88.27) 91.47,89.42 v1(91.47,90.81) ; v1(28.24,73.94) 90.5,73.94 91.47,72.96 v1(91.47,71.76)
  Bottom w0.127: v1(28.24,73.94) 28.24,73.93 25.03,73.93 24.17,73.07 21.9,73.07 U2.8 ; v1(92.62,88.27) 92.62,72.91 v1(91.47,71.76) 91.47,70.37 v1(92.62,69.22) 92.62,53.86 v1(91.47,52.71) 92.62,51.56 v1(92.62,50.17) 92.62,34.81 v1(91.47,33.66) 91.47,32.27 v1(92.62,31.12) 92.67,31.07 92.67,15.8 v1(91.47,14.61) 92.62,13.46 v1(92.62,12.07)
Col5: length 194.4
  Top w0.127: v1(110.53,71.76) 110.53,70.37 v1(111.68,69.22) ; v1(41.81,77.8) 41.78,77.76 27.73,77.76 25.5,75.53 v1(25.5,74.92) ; v1(42.22,83.72) 42.55,83.72 43.97,85.14 43.97,85.49 47.84,89.36 47.84,92.21 49.73,94.1 105.9,94.1 SW5.2 108.6,92.73 v1(110.53,90.81) 110.53,89.42 v1(111.68,88.27)
  Bottom w0.127: v1(110.53,71.76) 111.68,72.91 v1(111.68,88.27) ; v1(41.81,77.8) 42.22,78.21 v1(42.22,83.72) ; v1(110.53,33.66) 110.53,32.27 v1(111.68,31.12) 111.68,22.24 107.28,17.84 SW37.2 108.6,16.53 v1(110.53,14.61) 110.53,13.22 v1(111.68,12.07) ; v1(110.53,33.66) 108.6,35.58 SW29.2 ; v1(110.53,33.66) 111.68,34.81 v1(111.68,50.17) 110.53,51.32 v1(110.53,52.71) 110.53,60.81 111.68,61.96 v1(111.68,69.22) ; U2.5 22.83,73.83 23.85,73.83 24.82,74.8 25.39,74.8 v1(25.5,74.92)
Col6: length 213.1
  Top w0.127: v1(41.32,78.23) 27.54,78.23 23.71,74.4 v1(23.71,74.36) ; v1(130.72,88.27) 129.58,89.42 v1(129.58,90.81) 127.65,92.73 SW6.2 124.37,94.68 49.49,94.68 47.08,92.27 47.08,90.29 46.9,90.12 46.9,88.78 43.72,85.6 43.72,85.24 42.75,84.28 42.08,84.28 v1(41.41,83.62)
  Bottom w0.127: v1(41.41,83.62) 41.41,78.32 v1(41.32,78.23) ; v1(129.58,33.66) 127.65,35.58 SW30.2 ; v1(129.58,33.66) 129.58,32.27 v1(130.72,31.12) 130.72,22.36 126.33,17.96 SW38.2 127.65,16.53 v1(129.58,14.61) 129.58,13.22 v1(130.72,12.07) ; v1(129.58,33.66) 130.72,34.81 v1(130.72,50.17) 129.58,51.32 v1(129.58,52.71) 130.72,53.86 v1(130.72,69.22) 129.58,70.37 v1(129.58,71.76) 130.72,72.91 v1(130.72,88.27) ; v1(23.71,74.36) 22.87,74.36 U2.4
D+: length 22.6
  Bottom w0.2: J1.B6 29.33,95.1 29.3,95.07 29.3,94.61 27.64,92.94 24.62,92.94 23.92,93.64 21.53,93.64 20.8,92.92 U3.6 18.88,92.92 18.88,89.82 19.4,89.3 19.4,85.64 20.24,84.8 20.59,84.8 R3.2
D-: length 23.9
  Bottom w0.2: J1.A7 28.83,95.1 28.85,95.07 28.85,94.79 27.45,93.39 24.81,93.39 24.11,94.09 21.53,94.09 20.8,94.82 U3.4 19.39,94.39 19.14,94.39 18.43,93.68 18.43,89.64 18.95,89.11 18.95,85.45 19.92,84.48 19.92,84.13 R4.2
Earth_Protective: length 10.8
  Top w0.2: RES2.3 0.5,77.83 0.5,82.23 RES2.3
  Bottom w0.2: RES2.3 0.5,77.83 0.5,82.23 RES2.3
  vias: v1(1.46,40.42) v1(4.19,40.26) v1(4.97,23.94) v1(6.17,84.85) v1(15.44,56.54) v1(16.76,7.18) v1(28.05,56.01) v1(67.95,1.49) v1(93.79,57.06) v1(98.95,37.93) v1(105.73,38.28) v1(107.56,56.79) v1(107.92,65.16) v1(113.03,2.4)
EncA: length 245.7
  Top w0.127: v1(100.96,76.72) 101.33,76.35 v1(105.54,76.35) 105.63,76.44 108.35,76.44 110.37,78.45 113.32,78.45 114.16,79.29 120.26,79.29 SW6.A ; SW30.A 120.28,21.08 116.13,25.22 114.74,25.22 113.55,24.03 113.55,23.22 112.93,22.59 110.31,22.59 109.31,21.59 109.31,20.42 107.86,18.97 102.81,18.97 v1(102.73,19.05) ; v1(26.25,74.94) 26.25,75.06 26.25,75.07 26.25,75.49 28.08,77.32 42.11,77.32 42.42,77.63 92.81,77.63 94.44,79.27 97.35,79.27 98.39,78.23 SW5.A
  Bottom w0.127: SW37.A 100.51,3.79 100.51,6.52 102.06,8.06 102.06,10.44 104.24,12.62 104.24,17.54 v1(102.73,19.05) 102.28,19.51 SW29.A 100.73,21.08 99.75,22.06 99.75,24.91 101.98,27.13 101.98,29.49 104.05,31.57 104.05,35.84 99.55,40.34 99.55,44.79 99.49,44.85 99.49,45.06 99.55,45.13 99.55,45.67 101.99,48.11 101.99,48.47 104.05,50.53 104.05,54.1 98.48,59.67 98.48,63.65 100.86,66.04 100.86,66.54 102.78,68.46 102.78,69.73 104.79,71.74 104.79,73.45 105.54,74.21 v1(105.54,76.35) ; SW5.A 102,77.95 C1.1 100.6,77.08 v1(100.96,76.72) ; SW30.A 123.55,18.85 123.55,13.03 121.51,10.99 121.51,8.08 119.57,6.14 119.57,3.78 SW38.A ; v1(26.25,74.94) 26.14,74.83 26.14,74.82 25.77,74.45 24.83,74.45 23.96,73.58 22.52,73.58 U2.6
EncB: length 254
  Top w0.127: v1(26.67,74.42) 26.67,74.61 26.93,74.86 90.65,74.86 94.8,79.01 97.24,79.01 99.01,77.24 101.24,77.24 101.53,76.95 106,76.95 SW5.B ; SW6.B 124.33,76.23 119.84,76.23 117.03,79.04 114.26,79.04 113.43,78.2 111.43,78.2 108.66,75.44 v1(106.5,75.44) ; SW30.B 124.66,19.41 120.84,19.41 117.34,22.91 117.34,23.4 115.85,24.89 114.77,24.89 113.81,23.92 113.81,22.99 112.21,21.4 v1(109.77,21.4)
  Bottom w0.127: U2.7 22.21,73.32 24.07,73.32 24.93,74.18 26.25,74.18 26.48,74.42 v1(26.67,74.42) ; SW30.B 124.55,19.3 124.55,12.58 126.14,10.99 126.14,8.59 128.21,6.52 128.21,3.91 SW38.B ; SW37.B 108.69,2.03 109.64,2.98 109.64,5.95 107.09,8.5 107.09,10.76 104.72,13.13 104.72,17.54 107.28,20.09 SW29.B 109.45,21.08 v1(109.77,21.4) 109.77,24.42 107.48,26.71 107.48,29.45 104.31,32.63 104.31,35.94 99.83,40.42 99.83,45.04 102.24,47.46 102.24,48.36 104.39,50.51 104.39,54.25 98.84,59.8 98.84,63.42 101.12,65.69 101.12,66.44 105.08,70.4 105.08,73.39 106.5,74.81 v1(106.5,75.44) 107.28,76.21 SW5.B 107.6,77.9 C2.2
HAND: length 5.9
  Bottom w0.127: U2.29 14.5,77.08 12.61,77.08 11.72,76.19 10.09,76.19 R12.2
RGB: length 41.6
  Top w0.127: v1(38.8,97.71) 38.8,94.06 v1(37.45,92.71) ; 14.74,81.48 16.38,83.12 35.67,83.12 36.19,83.64 v1(36.49,83.64)
  Bottom w0.127: v1(14.74,78.58) 14.74,77.96 U2.31 ; U6.2 39.73,98.64 v1(38.8,97.71) ; v1(36.49,83.64) 36.76,83.64 37.14,84.02 37.14,84.14 37.67,84.67 37.67,85.48 37.45,85.7 v1(37.45,92.71)
RGB_3.3: length 6.7
  Top w0.127: v1(44.29,97.77) 45.03,98.5 45.99,98.5
  Bottom w0.127: U6.4 42.83,98.86 43.92,97.77 v1(44.29,97.77) 45.06,97 45.99,97
Row0: length 112.6
  Top w0.127: v1(112.93,82.86) 112.47,83.32 100.07,83.32 97.18,80.43 95.38,80.43 95.33,80.48 95.33,80.48 94.03,81.78 v1(94.03,82.89) 77.57,82.89 v1(77.43,83.03) 58.5,83.03 v1(58.43,83.1) 42.88,83.1 42.73,82.94 42.26,82.94 42.11,83.1 39.48,83.1 v1(39.45,83.13) 39.1,83.48 38.54,83.48 38.19,83.13 v1(36.88,83.13) 36.62,82.86 16.87,82.86 v1(16.54,82.53)
  Bottom w0.127: D3.1 58.43,83.09 v1(58.43,83.1) ; v1(112.93,82.86) 112.95,82.84 D6.1 ; D40.1 17.7,83.7 v1(16.54,82.53) 16.54,81.29 16.79,81.04 17.32,81.04 U2.41 ; D5.1 94.03,82.1 v1(94.03,82.89) ; D4.1 77.43,81.82 v1(77.43,83.03) ; D2.1 39.38,83.05 v1(39.45,83.13) ; D1.1 v1(36.88,83.13)
Row1: length 136.2
  Top w0.127: v1(17.93,58.53) 17.96,58.5 v1(20.31,58.5) 39.5,58.5 v1(39.53,58.53) ; v1(113.05,64.55) 112.51,64.01 100.99,64.01 98.44,61.46 95.05,61.46 94.02,62.49 v1(94.02,64.42) 93.93,64.33 82.15,64.33 80.55,62.73 v1(77.47,62.73) 71.25,62.73 70.04,63.93 58.89,63.93 v1(58.4,63.45) 49.88,63.45 49.33,64 39.41,64 39.38,63.96 v1(39.38,63.53) 39.38,63.76 39.13,64 33.17,64 v1(33.02,63.85)
  Bottom w0.127: D8.1 17.92,58.52 v1(17.93,58.53) ; v1(39.53,58.53) 39.53,62.57 D10.1 v1(39.38,63.53) ; v1(94.02,64.42) 93.96,64.36 D13.1 ; v1(113.05,64.55) 113.05,63.65 D14.1 ; U2.9 21.58,72.82 24.28,72.82 25.14,73.68 26.68,73.68 29.53,70.83 29.53,68.99 32.59,65.93 32.59,64.28 v1(33.02,63.85) ; D11.1 v1(58.4,63.45) ; v1(20.31,58.5) 20.33,58.49 D9.1
